# KiCad board veramonitor.kicad_pcb (continued)
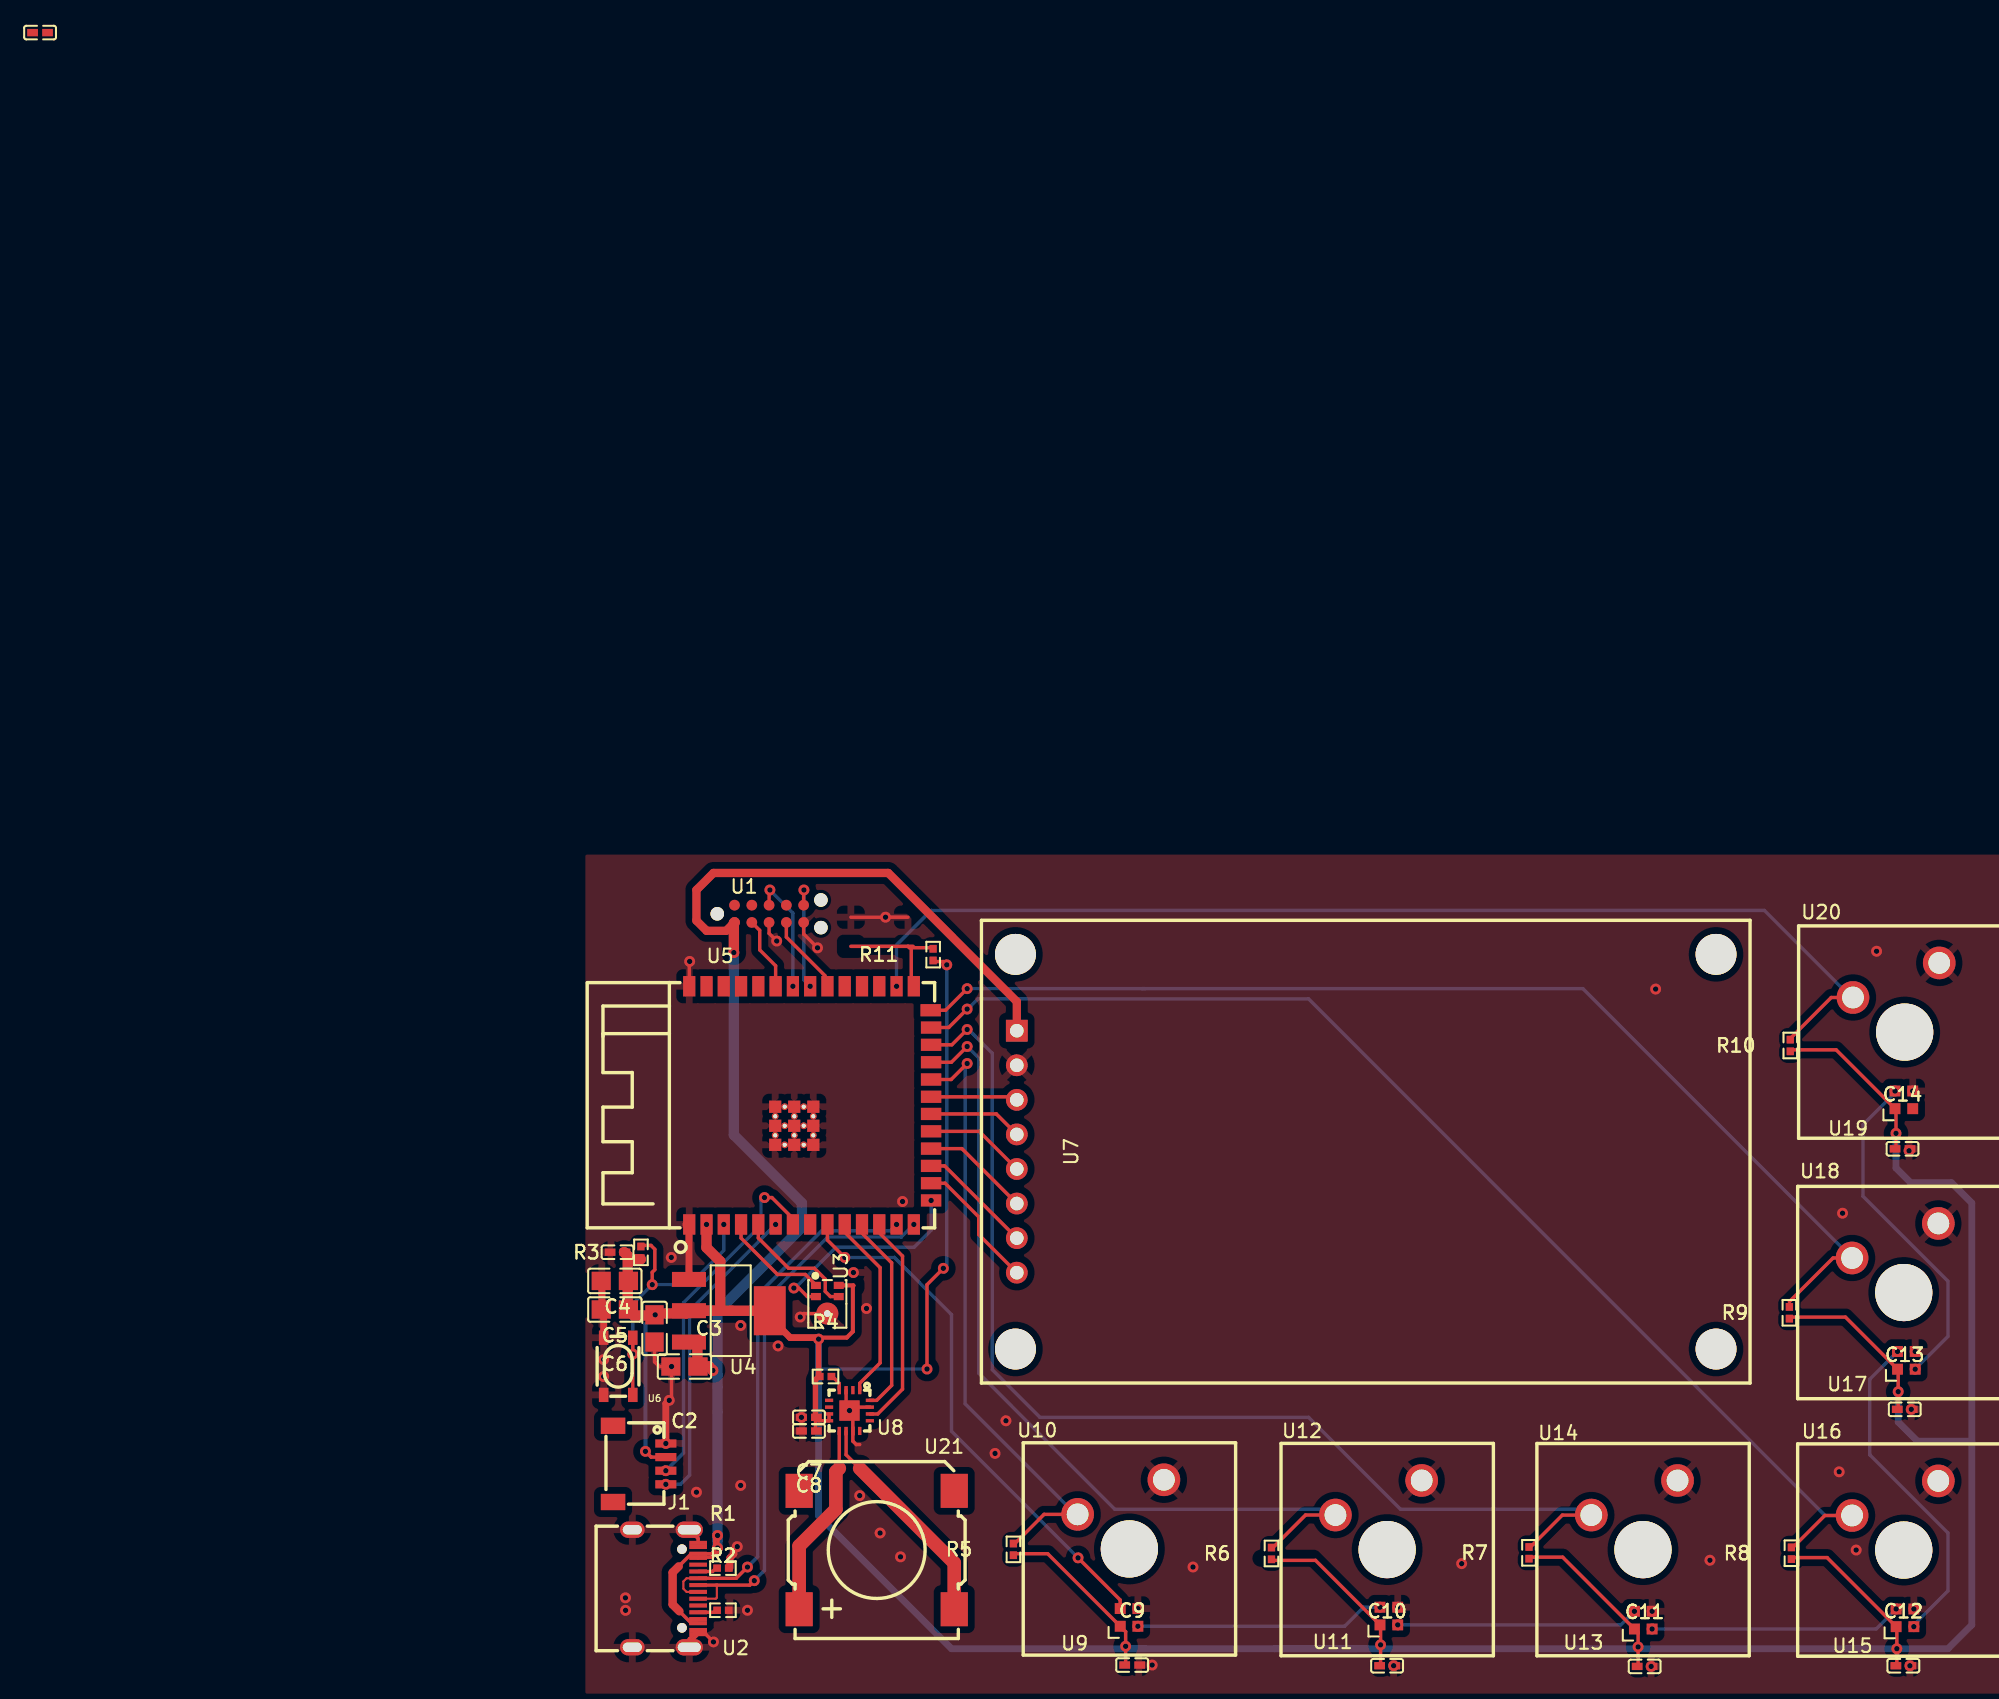
[diagram p0: board, top side]
## Library data of the parts (continued)
R1 = -: __atopile_lib_fp_hash__: 840214db-c3b9-a8cb-bf36-895666da536e; LCSC: C105871; Partnumber: RC0402FR-074K7L; Manufacturer: YAGEO; JLCPCB description: 62.5mW Thick Film Resistors 50V ±100ppm/℃ ±1% 4.7kΩ 0402 Chip Resistor - Surface Mount ROHS; PARAM_max_power: {"type": "Quantity_Set_Discrete", "data": {"intervals": {"type": "Numeric_Interval_Disjoint", "data": {"intervals": [{"type": "Numeric_Interval", "data": {"min": 0.0625, "max": 0.0625}}]}}, "unit": "watt"}}; PARAM_max_voltage: {"type": "Quantity_Set_Discrete", "data": {"intervals": {"type": "Numeric_Interval_Disjoint", "data": {"intervals": [{"type": "Numeric_Interval", "data": {"min": 50.0, "max": 50.0}}]}}, "unit": "volt"}}; PARAM_resistance: {"type": "Quantity_Interval_Disjoint", "data": {"intervals": {"type": "Numeric_Interval_Disjoint", "data": {"intervals": [{"type": "Numeric_Interval", "data": {"min": 4653.000001050532, "max": 4746.999998949468}}]}}, "unit": "ohm"}}; atopile_address: usbc_connector.cc1_res
R2 = -: __atopile_lib_fp_hash__: 894ece19-3b80-110c-2549-84a97fcb0802; LCSC: C105871; Partnumber: RC0402FR-074K7L; Manufacturer: YAGEO; JLCPCB description: 62.5mW Thick Film Resistors 50V ±100ppm/℃ ±1% 4.7kΩ 0402 Chip Resistor - Surface Mount ROHS; PARAM_max_power: {"type": "Quantity_Set_Discrete", "data": {"intervals": {"type": "Numeric_Interval_Disjoint", "data": {"intervals": [{"type": "Numeric_Interval", "data": {"min": 0.0625, "max": 0.0625}}]}}, "unit": "watt"}}; PARAM_max_voltage: {"type": "Quantity_Set_Discrete", "data": {"intervals": {"type": "Numeric_Interval_Disjoint", "data": {"intervals": [{"type": "Numeric_Interval", "data": {"min": 50.0, "max": 50.0}}]}}, "unit": "volt"}}; PARAM_resistance: {"type": "Quantity_Interval_Disjoint", "data": {"intervals": {"type": "Numeric_Interval_Disjoint", "data": {"intervals": [{"type": "Numeric_Interval", "data": {"min": 4653.000001050532, "max": 4746.999998949468}}]}}, "unit": "ohm"}}; atopile_address: usbc_connector.cc2_res
R3 = -: __atopile_lib_fp_hash__: a0b9c56e-cdc3-3fa4-2274-e067941b353e; LCSC: C25744; Partnumber: 0402WGF1002TCE; Manufacturer: UNI-ROYAL(Uniroyal Elec); JLCPCB description: 62.5mW Thick Film Resistors 50V ±100ppm/℃ ±1% 10kΩ 0402 Chip Resistor - Surface Mount ROHS; PARAM_max_power: {"type": "Quantity_Set_Discrete", "data": {"intervals": {"type": "Numeric_Interval_Disjoint", "data": {"intervals": [{"type": "Numeric_Interval", "data": {"min": 0.0625, "max": 0.0625}}]}}, "unit": "watt"}}; PARAM_max_voltage: {"type": "Quantity_Set_Discrete", "data": {"intervals": {"type": "Numeric_Interval_Disjoint", "data": {"intervals": [{"type": "Numeric_Interval", "data": {"min": 50.0, "max": 50.0}}]}}, "unit": "volt"}}; PARAM_resistance: {"type": "Quantity_Interval_Disjoint", "data": {"intervals": {"type": "Numeric_Interval_Disjoint", "data": {"intervals": [{"type": "Numeric_Interval", "data": {"min": 9900.000002235174, "max": 10099.999997764826}}]}}, "unit": "ohm"}}; atopile_address: micro.enable_button.pullup
R4 = -: __atopile_lib_fp_hash__: b56a7da4-e240-af18-3241-c1897194efe3; LCSC: C25744; Partnumber: 0402WGF1002TCE; Manufacturer: UNI-ROYAL(Uniroyal Elec); JLCPCB description: 62.5mW Thick Film Resistors 50V ±100ppm/℃ ±1% 10kΩ 0402 Chip Resistor - Surface Mount ROHS; PARAM_max_power: {"type": "Quantity_Set_Discrete", "data": {"intervals": {"type": "Numeric_Interval_Disjoint", "data": {"intervals": [{"type": "Numeric_Interval", "data": {"min": 0.0625, "max": 0.0625}}]}}, "unit": "watt"}}; PARAM_max_voltage: {"type": "Quantity_Set_Discrete", "data": {"intervals": {"type": "Numeric_Interval_Disjoint", "data": {"intervals": [{"type": "Numeric_Interval", "data": {"min": 50.0, "max": 50.0}}]}}, "unit": "volt"}}; PARAM_resistance: {"type": "Quantity_Interval_Disjoint", "data": {"intervals": {"type": "Numeric_Interval_Disjoint", "data": {"intervals": [{"type": "Numeric_Interval", "data": {"min": 9900.000002235174, "max": 10099.999997764826}}]}}, "unit": "ohm"}}; atopile_address: amp.R1
R5 = -: __atopile_lib_fp_hash__: bd1ba6f2-524b-4c4e-d925-0eeb83473e95; LCSC: C25744; Partnumber: 0402WGF1002TCE; Manufacturer: UNI-ROYAL(Uniroyal Elec); JLCPCB description: 62.5mW Thick Film Resistors 50V ±100ppm/℃ ±1% 10kΩ 0402 Chip Resistor - Surface Mount ROHS; PARAM_max_power: {"type": "Quantity_Set_Discrete", "data": {"intervals": {"type": "Numeric_Interval_Disjoint", "data": {"intervals": [{"type": "Numeric_Interval", "data": {"min": 0.0625, "max": 0.0625}}]}}, "unit": "watt"}}; PARAM_resistance: {"type": "Quantity_Interval_Disjoint", "data": {"intervals": {"type": "Numeric_Interval_Disjoint", "data": {"intervals": [{"type": "Numeric_Interval", "data": {"min": 9900.000002235174, "max": 10099.999997764826}}]}}, "unit": "ohm"}}; PARAM_max_voltage: {"type": "Quantity_Set_Discrete", "data": {"intervals": {"type": "Numeric_Interval_Disjoint", "data": {"intervals": [{"type": "Numeric_Interval", "data": {"min": 50.0, "max": 50.0}}]}}, "unit": "volt"}}; atopile_address: sw1.pullup
R6 = -: __atopile_lib_fp_hash__: 56b2fc5f-af5e-a984-62dd-6e687816cb49; LCSC: C25744; Partnumber: 0402WGF1002TCE; Manufacturer: UNI-ROYAL(Uniroyal Elec); JLCPCB description: 62.5mW Thick Film Resistors 50V ±100ppm/℃ ±1% 10kΩ 0402 Chip Resistor - Surface Mount ROHS; PARAM_max_power: {"type": "Quantity_Set_Discrete", "data": {"intervals": {"type": "Numeric_Interval_Disjoint", "data": {"intervals": [{"type": "Numeric_Interval", "data": {"min": 0.0625, "max": 0.0625}}]}}, "unit": "watt"}}; PARAM_resistance: {"type": "Quantity_Interval_Disjoint", "data": {"intervals": {"type": "Numeric_Interval_Disjoint", "data": {"intervals": [{"type": "Numeric_Interval", "data": {"min": 9900.000002235174, "max": 10099.999997764826}}]}}, "unit": "ohm"}}; PARAM_max_voltage: {"type": "Quantity_Set_Discrete", "data": {"intervals": {"type": "Numeric_Interval_Disjoint", "data": {"intervals": [{"type": "Numeric_Interval", "data": {"min": 50.0, "max": 50.0}}]}}, "unit": "volt"}}; atopile_address: sw2.pullup
R7 = -: __atopile_lib_fp_hash__: 7b675091-c437-609b-16b4-d39073a6f64b; LCSC: C25744; Partnumber: 0402WGF1002TCE; Manufacturer: UNI-ROYAL(Uniroyal Elec); JLCPCB description: 62.5mW Thick Film Resistors 50V ±100ppm/℃ ±1% 10kΩ 0402 Chip Resistor - Surface Mount ROHS; PARAM_max_power: {"type": "Quantity_Set_Discrete", "data": {"intervals": {"type": "Numeric_Interval_Disjoint", "data": {"intervals": [{"type": "Numeric_Interval", "data": {"min": 0.0625, "max": 0.0625}}]}}, "unit": "watt"}}; PARAM_max_voltage: {"type": "Quantity_Set_Discrete", "data": {"intervals": {"type": "Numeric_Interval_Disjoint", "data": {"intervals": [{"type": "Numeric_Interval", "data": {"min": 50.0, "max": 50.0}}]}}, "unit": "volt"}}; PARAM_resistance: {"type": "Quantity_Interval_Disjoint", "data": {"intervals": {"type": "Numeric_Interval_Disjoint", "data": {"intervals": [{"type": "Numeric_Interval", "data": {"min": 9900.000002235174, "max": 10099.999997764826}}]}}, "unit": "ohm"}}; atopile_address: sw3.pullup
R8 = -: __atopile_lib_fp_hash__: d8f44ea1-6daa-b8ad-d2b4-7efc94c90933; LCSC: C25744; Partnumber: 0402WGF1002TCE; Manufacturer: UNI-ROYAL(Uniroyal Elec); JLCPCB description: 62.5mW Thick Film Resistors 50V ±100ppm/℃ ±1% 10kΩ 0402 Chip Resistor - Surface Mount ROHS; PARAM_max_power: {"type": "Quantity_Set_Discrete", "data": {"intervals": {"type": "Numeric_Interval_Disjoint", "data": {"intervals": [{"type": "Numeric_Interval", "data": {"min": 0.0625, "max": 0.0625}}]}}, "unit": "watt"}}; PARAM_resistance: {"type": "Quantity_Interval_Disjoint", "data": {"intervals": {"type": "Numeric_Interval_Disjoint", "data": {"intervals": [{"type": "Numeric_Interval", "data": {"min": 9900.000002235174, "max": 10099.999997764826}}]}}, "unit": "ohm"}}; PARAM_max_voltage: {"type": "Quantity_Set_Discrete", "data": {"intervals": {"type": "Numeric_Interval_Disjoint", "data": {"intervals": [{"type": "Numeric_Interval", "data": {"min": 50.0, "max": 50.0}}]}}, "unit": "volt"}}; atopile_address: sw4.pullup
R9 = -: __atopile_lib_fp_hash__: 1c7cd458-90ea-6d88-cfc3-1f6f23d821f5; LCSC: C25744; Partnumber: 0402WGF1002TCE; Manufacturer: UNI-ROYAL(Uniroyal Elec); JLCPCB description: 62.5mW Thick Film Resistors 50V ±100ppm/℃ ±1% 10kΩ 0402 Chip Resistor - Surface Mount ROHS; PARAM_max_power: {"type": "Quantity_Set_Discrete", "data": {"intervals": {"type": "Numeric_Interval_Disjoint", "data": {"intervals": [{"type": "Numeric_Interval", "data": {"min": 0.0625, "max": 0.0625}}]}}, "unit": "watt"}}; PARAM_max_voltage: {"type": "Quantity_Set_Discrete", "data": {"intervals": {"type": "Numeric_Interval_Disjoint", "data": {"intervals": [{"type": "Numeric_Interval", "data": {"min": 50.0, "max": 50.0}}]}}, "unit": "volt"}}; PARAM_resistance: {"type": "Quantity_Interval_Disjoint", "data": {"intervals": {"type": "Numeric_Interval_Disjoint", "data": {"intervals": [{"type": "Numeric_Interval", "data": {"min": 9900.000002235174, "max": 10099.999997764826}}]}}, "unit": "ohm"}}; atopile_address: sw5.pullup
R10 = -: __atopile_lib_fp_hash__: 9614f397-f735-dcf4-af40-b240372c219b; LCSC: C25744; Partnumber: 0402WGF1002TCE; Manufacturer: UNI-ROYAL(Uniroyal Elec); JLCPCB description: 62.5mW Thick Film Resistors 50V ±100ppm/℃ ±1% 10kΩ 0402 Chip Resistor - Surface Mount ROHS; PARAM_max_power: {"type": "Quantity_Set_Discrete", "data": {"intervals": {"type": "Numeric_Interval_Disjoint", "data": {"intervals": [{"type": "Numeric_Interval", "data": {"min": 0.0625, "max": 0.0625}}]}}, "unit": "watt"}}; PARAM_max_voltage: {"type": "Quantity_Set_Discrete", "data": {"intervals": {"type": "Numeric_Interval_Disjoint", "data": {"intervals": [{"type": "Numeric_Interval", "data": {"min": 50.0, "max": 50.0}}]}}, "unit": "volt"}}; PARAM_resistance: {"type": "Quantity_Interval_Disjoint", "data": {"intervals": {"type": "Numeric_Interval_Disjoint", "data": {"intervals": [{"type": "Numeric_Interval", "data": {"min": 9900.000002235174, "max": 10099.999997764826}}]}}, "unit": "ohm"}}; atopile_address: sw6.pullup
R11 = -: __atopile_lib_fp_hash__: 7abbd541-12d7-d52d-b1ad-03b293d82b4d; LCSC: C25744; Partnumber: 0402WGF1002TCE; Manufacturer: UNI-ROYAL(Uniroyal Elec); JLCPCB description: 62.5mW Thick Film Resistors 50V ±100ppm/℃ ±1% 10kΩ 0402 Chip Resistor - Surface Mount ROHS; PARAM_max_power: {"type": "Quantity_Set_Discrete", "data": {"intervals": {"type": "Numeric_Interval_Disjoint", "data": {"intervals": [{"type": "Numeric_Interval", "data": {"min": 0.0625, "max": 0.0625}}]}}, "unit": "watt"}}; PARAM_max_voltage: {"type": "Quantity_Set_Discrete", "data": {"intervals": {"type": "Numeric_Interval_Disjoint", "data": {"intervals": [{"type": "Numeric_Interval", "data": {"min": 50.0, "max": 50.0}}]}}, "unit": "volt"}}; PARAM_resistance: {"type": "Quantity_Interval_Disjoint", "data": {"intervals": {"type": "Numeric_Interval_Disjoint", "data": {"intervals": [{"type": "Numeric_Interval", "data": {"min": 9900.000002235174, "max": 10099.999997764826}}]}}, "unit": "ohm"}}; atopile_address: boot.pullup
U1 = -: atopile_address: jtag_connector
U2 = -: Partnumber: KH-TYPE-C-16P; LCSC: C709357; Manufacturer: Shenzhen Kinghelm Elec; JLCPCB description: 3A 1 Horizontal attachment 16P Female -40℃~+85℃ Type-C SMD USB Connectors ROHS; atopile_address: usbc_connector.conn
U3 = -: LCSC: C2879853; Partnumber: SPH0641LU4H-1; Manufacturer: KNOWLES; JLCPCB description: MEMS Microphones DIG MEMs Mic, BP, Multimode,Ultrasonic; atopile_address: mic
U4 = -: LCSC: C6186; Partnumber: AMS1117-3.3; Manufacturer: Advanced Monolithic Systems; JLCPCB description: 72dB@(120Hz) 1A Fixed 3.3V Positive electrode SOT-223 Voltage Regulators - Linear, Low Drop Out (LDO) Regulators ROHS; atopile_address: ldo.ic
U5 = -: LCSC: C2913205; Partnumber: ESP32-S3-WROOM-1-N16R2; Manufacturer: Espressif Systems; JLCPCB description: SMD,18x25.5mm WiFi Modules ROHS; atopile_address: micro.ic
U6 = -: Partnumber: SKRPACE010; LCSC: C139797; Manufacturer: ALPSALPINE; JLCPCB description: 3.2mm 2.5mm Oval button 50mA Standing paste 4.2mm SPST 16V SMD Tactile Switches ROHS; atopile_address: micro.enable_button.btn.btn
U7 = -: LCSC: C359940; Partnumber: 1.8inch LCD Module; Manufacturer: Waveshare; JLCPCB description: 1.8 ST7735S -  LCD Screen ROHS; atopile_address: lcd.lcd
U8 = -: LCSC: C910544; Partnumber: MAX98357AETE+T; Manufacturer: Maxim Integrated; JLCPCB description: Monaural 3.2Wx2@4Ω TQFN-16-EP(3x3) Audio Amplifiers ROHS; atopile_address: amp.ic
U9 = -: LCSC: C2890036; Partnumber: SK6805-EC20; Manufacturer: OPSCO Optoelectronics; JLCPCB description: SMD,2x2mm  RGB LEDs(Built-in IC) ROHS; atopile_address: sw1.led.ic
U10 = -: LCSC: C400225; Partnumber: CPG1511F01S05; Manufacturer: Kailh; JLCPCB description: 60gf@±10gf 2V~12V Black shaft 2 Plugin Mechanical Keyboard Shaft ROHS; atopile_address: sw1.sw
U11 = -: LCSC: C2890036; Partnumber: SK6805-EC20; Manufacturer: OPSCO Optoelectronics; JLCPCB description: SMD,2x2mm  RGB LEDs(Built-in IC) ROHS; atopile_address: sw2.led.ic
U12 = -: LCSC: C400225; Partnumber: CPG1511F01S05; Manufacturer: Kailh; JLCPCB description: 60gf@±10gf 2V~12V Black shaft 2 Plugin Mechanical Keyboard Shaft ROHS; atopile_address: sw2.sw
U13 = -: LCSC: C2890036; Partnumber: SK6805-EC20; Manufacturer: OPSCO Optoelectronics; JLCPCB description: SMD,2x2mm  RGB LEDs(Built-in IC) ROHS; atopile_address: sw3.led.ic
U14 = -: LCSC: C400225; Partnumber: CPG1511F01S05; Manufacturer: Kailh; JLCPCB description: 60gf@±10gf 2V~12V Black shaft 2 Plugin Mechanical Keyboard Shaft ROHS; atopile_address: sw3.sw
U15 = -: LCSC: C2890036; Partnumber: SK6805-EC20; Manufacturer: OPSCO Optoelectronics; JLCPCB description: SMD,2x2mm  RGB LEDs(Built-in IC) ROHS; atopile_address: sw4.led.ic
U16 = -: LCSC: C400225; Partnumber: CPG1511F01S05; Manufacturer: Kailh; JLCPCB description: 60gf@±10gf 2V~12V Black shaft 2 Plugin Mechanical Keyboard Shaft ROHS; atopile_address: sw4.sw
U17 = -: LCSC: C2890036; Partnumber: SK6805-EC20; Manufacturer: OPSCO Optoelectronics; JLCPCB description: SMD,2x2mm  RGB LEDs(Built-in IC) ROHS; atopile_address: sw5.led.ic
U18 = -: LCSC: C400225; Partnumber: CPG1511F01S05; Manufacturer: Kailh; JLCPCB description: 60gf@±10gf 2V~12V Black shaft 2 Plugin Mechanical Keyboard Shaft ROHS; atopile_address: sw5.sw
U19 = -: LCSC: C2890036; Partnumber: SK6805-EC20; Manufacturer: OPSCO Optoelectronics; JLCPCB description: SMD,2x2mm  RGB LEDs(Built-in IC) ROHS; atopile_address: sw6.led.ic
U20 = -: LCSC: C400225; Partnumber: CPG1511F01S05; Manufacturer: Kailh; JLCPCB description: 60gf@±10gf 2V~12V Black shaft 2 Plugin Mechanical Keyboard Shaft ROHS; atopile_address: sw6.sw
U21 = -: LCSC: C18186315; Partnumber: KLJ-01304T-08R07W; Manufacturer: KELIKING; JLCPCB description: SMD  Speakers ROHS; atopile_address: speaker
U22 = -: __atopile_lib_fp_hash__: 89b844df-c216-e16f-af9f-d7598e8a90c6; LCSC: C15195; Partnumber: CL05B103KB5NNNC; Manufacturer: Samsung Electro-Mechanics; JLCPCB description: 50V 10nF X7R ±10% 0402 Multilayer Ceramic Capacitors MLCC - SMD/SMT ROHS; PARAM_capacitance: {"type": "Quantity_Interval_Disjoint", "data": {"intervals": {"type": "Numeric_Interval_Disjoint", "data": {"intervals": [{"type": "Numeric_Interval", "data": {"min": 9e-09, "max": 1.1e-08}}]}}, "unit": "farad"}}; PARAM_temperature_coefficient: {"type": "EnumSet", "data": {"elements": [{"name": "X7R"}], "enum": {"name": "TemperatureCoefficient", "values": {"Y5V": 1, "Z5U": 2, "X7S": 3, "X5R": 4, "X6R": 5, "X7R": 6, "X8R": 7, "C0G": 8}}}}; PARAM_max_voltage: {"type": "Quantity_Set_Discrete", "data": {"intervals": {"type": "Numeric_Interval_Disjoint", "data": {"intervals": [{"type": "Numeric_Interval", "data": {"min": 50.0, "max": 50.0}}]}}, "unit": "volt"}}; atopile_address: c_vcc

## Footprints (pads in the part's own frame, mm; a bottom-side part is the same pattern mirrored in y, then rotated)
BUZ-SMD_4P-L13.0-W13.0-P11.4-BL
  rect 2x2.5 smd: 1(-5.7,-4.35) 2(5.7,-4.35) 3(5.7,4.35) 4(-5.7,4.35)
C0402-b3ef17
  rect 0.79x0.54 smd: 1(-0.55,0) 2(0.55,0)
C0805-3b2e55
  rect 1.41x1.35 smd: 1(-1,0) 2(1,0)
CONN-SMD_4P-P1.00_SM04B-SRSS-TB-LF-SN
  rect 0.6x1.55 smd: 1(-1.5,1.94) 2(-0.5,1.94) 3(0.5,1.94) 4(1.5,1.94)
  rect 1.2x1.8 smd: 5(2.8,-1.94) 6(-2.8,-1.94)
KEY-SMD_4P-L4.2-W3.2-P2.20-LS4.6
  rect 1.05x0.7 smd: 1(-2.1,1.07) 2(2.1,1.07) 3(-2.1,-1.07) 4(2.1,-1.07)
KEY-TH_CPG1511F01S0X
  round 4.2 hole 4.2: (0.63,-3.81)
  round 2.4 hole 1.6: 1(-3.17,-1.27) 2(3.17,1.27)
LCD-TH_L56.5-W34.0_1-8INCH-LCD-MODULE
  round 3 hole 3: (-14.5,51.4) (-14.5,-0.1) (14.5,51.4) (14.5,-0.1)
  rect 1.6x1.6 hole 1: 1(-8.89,0)
  round 1.6 hole 1: 2(-6.35,0) 3(-3.81,0) 4(-1.27,0) 5(1.27,0) 6(3.81,0) 7(6.35,0) 8(8.89,0)
LED-SMD_4P-L2.0-W2.0-BR
  rect 0.8x0.8 smd: 1(0.65,-0.65) 2(0.65,0.65) 3(-0.65,0.65) 4(-0.65,-0.65)
MIC-SMD_5P_L3.5-W2.7-P0.82_SPH0641LU4H-1
  round 0.5 hole 0.5: (0,-0.81)
  rect 0.73x0.53 smd: 1(-0.84,1.26) 2(-0.84,0.44) 4(0.84,0.44) 5(0.84,1.26)
  round 1.625 smd: 3(0,-0.81)
R0402-56259e
  rect 0.57x0.54 smd: 1(-0.43,0) 2(0.43,0)
SOT-223-3_L6.5-W3.4-P2.30-LS7.0-BR
  rect 2.5x1.1 smd: 1(2.97,-2.3) 2(2.97,0) 3(2.97,2.3)
  rect 2.34x3.6 smd: 4(-2.97,0)
TAG-CONNECT_TC2050-IDC
  round 0.991 hole 0.991 unplated: (-3.81,0) (3.81,1.015) (3.81,-1.015)
  round 0.787 smd: 1(-2.54,-0.635) 2(-1.27,-0.635) 3(0,-0.635) 4(1.27,-0.635) 5(2.54,-0.635) 6(2.54,0.635) 7(1.27,0.635) 8(0,0.635) 9(-1.27,0.635) 10(-2.54,0.635)
TQFN-16_L3.0-W3.0-P0.50-BL-EP1.5
  rect 0.25x0.6 smd: 1(-0.75,-1.5) 2(-0.25,-1.5) 3(0.25,-1.5) 4(0.75,-1.5) 9(0.75,1.5) 10(0.25,1.5) 11(-0.25,1.5) 12(-0.75,1.5)
  rect 0.6x0.25 smd: 5(1.5,-0.75) 6(1.5,-0.25) 7(1.5,0.25) 8(1.5,0.75) 13(-1.5,0.75) 14(-1.5,0.25) 15(-1.5,-0.25) 16(-1.5,-0.75)
  rect 1.5x1.5 smd: 17(0,0)
USB-C-SMD_KH-TYPE-C-16P
  round 0.7 hole 0.7: (-2.89,1.23) (2.89,1.23)
  oval 1.2x2 hole 0.7x1.7: 1(-4.32,1.77) 2(4.32,1.77)
  oval 1.2x1.8 hole 0.7x1.4: 3(-4.32,-2.42) 4(4.32,-2.42)
  rect 0.3x1.3 smd: A1(-3.35,2.42) A4(-2.55,2.42) A5(-1.25,2.42) A6(-0.25,2.42) A7(0.25,2.42) A8(1.25,2.42) A9(2.55,2.41) A12(3.35,2.42) B1(3.05,2.42) B4(2.25,2.41) B5(1.75,2.42) B6(0.75,2.42) B7(-0.75,2.42) B8(-1.75,2.42) B9(-2.25,2.42) B12(-3.05,2.42)
WIRELM-SMD_ESP32-S3-WROOM-1
  round 0.5 hole 0.3: (-2.9,1.87) (-2.9,0.47) (-2.2,2.57) (-2.2,1.17) (-2.2,-0.23) (-1.5,1.87) (-1.5,0.47) (-0.8,2.57) (-0.8,1.17) (-0.8,-0.23) (-0.1,1.87) (-0.1,0.47)
  rect 1.5x0.9 smd: 1(-8.75,8.89) 2(-8.75,7.62) 3(-8.75,6.35) 4(-8.75,5.08) 5(-8.75,3.81) 6(-8.75,2.54) 7(-8.75,1.27) 8(-8.75,0) 9(-8.75,-1.27) 10(-8.75,-2.54) 11(-8.75,-3.81) 12(-8.75,-5.08) 13(-8.75,-6.35) 14(-8.75,-7.62) 27(8.75,-7.62) 28(8.75,-6.35) 29(8.75,-5.08) 30(8.75,-3.81) 31(8.75,-2.54) 32(8.75,-1.27) 33(8.75,0) 34(8.75,1.27) 35(8.75,2.54) 36(8.75,3.81) 37(8.75,5.08) 38(8.75,6.35) 39(8.75,7.62) 40(8.75,8.89)
  rect 0.9x1.5 smd: 15(-6.99,-8.89) 16(-5.72,-8.89) 17(-4.45,-8.89) 18(-3.18,-8.89) 19(-1.91,-8.89) 20(-0.63,-8.89) 21(0.63,-8.89) 22(1.9,-8.89) 23(3.17,-8.89) 24(4.45,-8.89) 25(5.72,-8.89) 26(6.99,-8.86)
  rect 0.9x0.9 smd: 41(-2.9,2.57) 41(-2.9,1.17) 41(-2.9,-0.23) 41(-1.5,2.57) 41(-1.5,1.17) 41(-1.5,-0.23) 41(-0.1,2.57) 41(-0.1,1.17) 41(-0.1,-0.23)

## Nets
gnd: C2.2 C3.2 C4.2 C5.2 C6.2 C7.2 C8.2 C9.2 C10.2 C11.2 C12.2 C13.2 C14.2 J1.1 R1.2 R2.2 U1.3 U1.5 U2.1 U2.2 U2.3 U2.4 U2.A1 U2.A12 U2.B1 U2.B12 U3.3 U4.1 U5.1 U5.40 U5.41 U6.3 U6.4 U7.2 U8.3 U8.11 U8.15 U8.17 U9.3 U10.2 U11.3 U12.2 U13.3 U14.2 U15.3 U16.2 U17.3 U18.2 U19.3 U20.2 U22.2
vcc: U15.2 U17.4
B5: R2.1 U2.B5
BCLK: U5.11 U8.16
BL: U5.16 U7.8
CC1: R1.1 U2.A5
CS: U5.19 U7.5
DC: U5.18 U7.6
DIN: U5.10 U8.1
DIN-1: U5.21 U7.3
DIN-2: U5.9 U9.4
dm: U2.A7 U2.B7 U5.13
DOUT: U19.2
dp: U2.A6 U2.B6 U5.14
DUMMY: U21.3 U21.4
GAIN_SLOT: U8.2
hv: C3.1 C4.1 C5.1 C6.1 C7.1 C8.1 C9.1 C10.1 C11.1 C12.1 C13.1 C14.1 J1.2 R3.1 R4.1 R5.1 R6.1 R7.1 R8.1 R9.1 R10.1 R11.1 U3.5 U4.2 U4.4 U5.2 U8.7 U8.8 U9.1 U11.1 U13.1 U15.1 U17.1 U19.1 U22.1
hv-1: C2.1 U1.1 U2.A4 U2.A9 U2.B4 U2.B9 U4.3 U7.1
in: R3.2 U5.3 U6.1 U6.2
io: U13.2 U15.4
io1: U5.39
io2: U5.38
io15: U5.8
io36: U5.29
io37: U5.30
io38: U5.31
io-1: U9.2 U11.4
io-2: U17.2 U19.4
io-3: U11.2 U13.4
KEY: R9.2 U5.26 U18.1
KEY-1: R5.2 U5.22 U10.1
KEY-2: R6.2 U5.23 U12.1
KEY-3: R7.2 U5.24 U14.1
KEY-4: R8.2 U5.25 U16.1
KEY-5: R10.2 U5.28 U20.1
LRCLK: U5.12 U8.14
N_period_C_period: U8.5 U8.6 U8.12 U8.13
out: R11.2 U5.27
OUTN: U8.10 U21.2
OUTP: U8.9 U21.1
pdm_clk: U3.4 U5.5
pdm_data: U3.1 U5.4
pdm_sel: U3.2 U5.15
reset: U5.17 U7.7
reset-1: U1.10
rx: U5.36
sck: U5.20 U7.4
scl: J1.4 U5.6
SD_MODE_hash: R4.2 U8.4
sda: J1.3 U5.7
SUB1: U2.A8
SUB2: U2.B8
tck: U1.4 U5.32
tdi: U1.8 U5.34
tdo: U1.6 U5.33
tms: U1.2 U5.35
tx: U5.37

Pads without a net: J1 5 6; U1 7 9

## Via types
v1: diameter 0.8, hole 0.4, Top to Bottom, 102 vias

## Routing (per net, layer and track width the routed paths; a pad name or vN(x,y) marks a point on that pad's centre or on a via; arc(x,y) is an arc through that point)
gnd: length 41.2
  Top w0.25: 55.12,39.8 55.12,39.72 55.25,39.72 ; 62.08,55.12 v1(62.15,55.05) ; v1(62.15,55.05) 59.6,55.05 ; v1(62.15,55.05) 62.22,55.12 ; U2.B1 47.73,2.02 47.73,1.41 47.73,1.72 U2.A12 48.92,2.38 v1(49.5,1.8) ; U8.3 59.25,19.05 ; U1.5 56.13,53.82 v1(57.15,52.8) ; U1.3 53.59,53.86 v1(54.15,53.3)
  Top w0.254: 57.24,25.92 56.13,25.92 v1(55.88,25.67) ; 47.53,49.97 47.72,50.16 47.72,51.77 v1(47.75,51.8) ; 60.25,16.3 60,16.3 59.75,16.55 U8.11 59.75,18.55 v1(59.5,18.8) ; 63.8,55.05 v1(62.15,55.05) ; U2.A1 48.38,9.39 U2.1 ; U8.15 60.25,19.05 ; 45.17,23.88 45.17,22.38 45.52,22.03 v1(46.42,22.03) 46.42,19.72 v1(46.25,19.55)
  Top w0.508: v1(46.25,19.55) 46,19.3 v1(46,16.38) ; v1(51.25,8.8) 51,8.55 51,8.26 50.71,7.97 50.71,7.22 ; U5.1 47.7,32.45 U4.1 ; U6.3 41.43,26.09 41.3,26.22 41.3,28.33
  Top w0.61: 47.7,32.3 47.53,32.47
  vias: v1(41.43,22.55) v1(41.43,21.3) v1(43.03,5.04) v1(43.04,4.12) v1(46.4,30.05) v1(48.25,12.8) v1(51.5,25.05) v1(51.5,13.3) v1(52,4.12) v1(54.25,23.55) v1(55.97,18.3) v1(59.79,28.94) v1(60.25,12.55) v1(60.75,26.3) v1(61.75,9.8) v1(63.25,8.05) v1(63.4,34.16) v1(70.2,15.65) v1(71,18.05) v1(80.7,4.25) v1(81.75,0.1) v1(84.75,7.3) v1(99.5,0.05) v1(99.8,4.35) v1(104.5,7.55) v1(118.43,0) v1(118.5,4.05) v1(118.76,49.77) v1(122.75,7.8) v1(132.25,14.3) v1(132.5,33.3) v1(133.5,8.55) v1(135,52.55) v1(137.39,37.89) v1(137.45,0.05) v1(137.55,18.89) v1(137.66,42.28) v1(137.74,4.22) v1(137.84,23.14)
vcc: length 24.5
  Bottom w0.25: v1(137.74,2.92) 137.74,3.04 140.25,5.55 140.25,9.8 134.5,15.55 134.5,21.1 v1(136.54,23.14)
(no net): length 8
  Bottom w0: 126,0.8 125.95,0.85 125.5,0.85 133,0.85
B5: length 1.4
  Top w0.25: 49.69,4.12 49.54,3.97 U2.B5
BCLK: length 14.9
  Top w0.25: U8.16 61.5,19.55 62.6,20.65 62.6,29.65 60.23,32.02 60.23,32.47
BL: length 10
  Top w0.25: 65.31,35.5 66.53,35.5 69,33.03 69,31.73 U7.8
CC1: length 1.4
  Top w0.25: U2.A5 49.44,6.97 49.69,7.22
CS: length 7.6
  Top w0.25: U7.5 69.03,39.31 65.31,39.31
DC: length 8
  Top w0.254: U7.6 67.77,38.05 65.5,38.05
DIN: length 14
  Top w0.25: 58.96,32.47 58.96,32.09 61.75,29.3 61.75,22.3 60.25,20.8 U8.1
DIN-1: length 6.7
  Top w0.254: U5.21 65.5,41.85 71.58,41.85 U7.3 ; 65.53,41.63 65.31,41.86
DIN-2: length 39.5
  Top w0.25: U5.9 57.88,31.33 v1(59.16,30.05) ; U9.4 79.4,4.88 v1(76.3,7.98) ; 57.88,32.66 57.69,32.47
  Bottom w0.25: v1(59.16,30.05) 62.8,30.05 67,25.85 67,17.28 v1(76.3,7.98)
dm: length 40.2
  Top w0.152: U2.B7 47.52,6.47 47.29,6.24 47.29,5.71 47.52,5.47 U2.A7
  Top w0.25: U2.B7 51.17,6.47 v1(52,7.3) ; v1(62.96,32.47) 62.77,32.28 62.77,31.89
  Bottom w0.25: v1(62.96,32.47) 62.49,32 57.45,32 52.75,27.3 52.75,8.05 v1(52,7.3)
dp: length 40.8
  Top w0.152: U2.B6 49.67,4.97 49.75,5.05 49.75,5.97
  Top w0.25: U2.A6 52.17,5.97 v1(52.5,6.3)
  Bottom w0.25: v1(64.23,32.47) 63.3,31.55 57.9,31.55 53.25,26.9 53.25,7.05 v1(52.5,6.3)
hv: length 373.9
  Top w0.25: J1.2 44.92,15.38 v1(44.5,15.8) ; U8.7 U8.8 57.25,18.05 57,18.3 57,17.3 ; 90.52,7.79 93.76,7.79 U11.1 98.54,3.01 v1(98.54,1.58) 98.54,0.05 ; 79.8,0.1 v1(79.8,1.48) 79.8,2.55 U9.1 74.07,8.28 71.55,8.28 ; 128.59,25.66 132.72,25.66 U17.1 136.59,21.79 v1(136.59,20.19) 136.59,18.89 ; 136.43,38.03 v1(136.43,39.17) 136.43,40.91 U19.1 132.03,45.3 128.66,45.3 ; 59.75,27.94 59.79,27.98 ; v1(66.4,29.25) 65.2,28.05 v1(65.2,21.85) ; 128.74,7.99 131.37,7.99 U15.1 136.49,2.87 v1(136.49,1.3) 136.49,0.05 ; 109.45,8.02 111.92,8.02 U13.1 117.47,2.48 v1(117.47,1.43) 117.47,0 ; 53.64,26.54 53.77,26.67 ; 57.23,24.14 57.25,24.16 ; v1(66.65,51.55) 66.41,51.79 65.65,51.79 ; U4.4 53.64,25.66
  Top w0.3: 59.75,27.94 59.75,24.61 59.3,24.16 57.25,24.16
  Top w0.305: 58.77,27.93 58.71,27.99 59.77,27.99 59.79,27.98
  Top w0.4: 57.23,24.14 v1(57.23,24.05) 57.23,21.3 57,21.07 57,18.3
  Top w0.5: 53.64,25.66 55.14,24.16 57.25,24.16
  Top w0.762: U4.2 U4.4 ; U4.2 50,26.13 50,29.76 48.99,30.77 v1(48.99,32.47) ; U4.2 47.5,25.94 45.32,25.94 v1(45.22,25.83) 45.17,25.78 43.64,25.78 43.2,26.22 43.2,30.16 42.93,30.44 43.45,29.91 44.17,29.91
  Bottom w0.25: 57.23,21.65 57.43,21.85 v1(65.2,21.85) ; v1(66.65,51.55) 66.65,29.5 v1(66.4,29.25) ; 115.25,1.3 115.87,1.3 ; 115.25,1.3 133.76,1.3 ; 115.25,1.3 96.75,1.3 97.52,1.3
  Bottom w0.3: v1(45.22,25.83) 44.5,25.11 v1(44.5,15.8)
  Bottom w0.5: 80,1.3 81.25,1.3 ; 81.25,1.3 90.75,1.3 ; 81.25,1.3 67,1.3 57.23,11.07 v1(57.23,24.05) ; 95.5,1.3 97.52,1.3 ; 95.5,1.3 90.75,1.3 ; 95.5,1.3 96.75,1.3 ; 142,16.55 142,3.05 140.25,1.3 132.75,1.3 ; 142,16.55 142,34.05 140.5,35.55 137.5,35.55 136.43,36.62 v1(136.43,39.17) ; 142,16.55 138,16.55 136.59,17.96 v1(136.59,20.19) ; 90.75,1.3 133.76,1.3
hv-1: length 104.3
  Top w0.254: 49.38,8.27 U2.A4 47.87,8.27 46.95,7.35 ; 49.38,8.27 v1(49.8,8.7) ; 49.38,8.27 49.83,8.73 49.83,9.59 v1(49.8,9.62) 49.59,9.41 49.59,8.19 ; 49.59,8.19 49.42,8.02 48.42,8.02 U2.B9 ; 49.59,8.19 49.95,8.55 49.95,8.6 ; U2.A9 47.87,3.17 47,4.05 47,4.05
  Top w0.61: U7.1 71.8,48.85 62.35,58.3 49.5,58.3 48.25,57.05 48.25,54.8 49,54.05 50.44,54.05 U1.1 ; 47,4.05 46.5,4.55 46.5,6.9 46.95,7.35
  Top w0.762: v1(51,52.45) 51,54.61 U1.1 ; U4.3 48.34,23.83 48.32,23.82 48.32,22.03 49.17,22.03 v1(49.46,21.75)
  Bottom w0.762: 49.8,21.41 v1(49.46,21.75) 49.46,21.78 ; 49.8,21.41 v1(49.8,9.62) v1(49.8,8.7) ; 49.8,21.41 49.8,26.05 56,32.25 56,34.05 51,39.05 v1(51,52.45)
in: length 22
  Top w0.25: U6.2 v1(43.57,22.95) U6.1 ; v1(45,28.05) 45,28.96 45.19,29.15 45.19,30.65 44.91,30.94 44.17,30.94
  Bottom w0.25: v1(43.57,22.95) 43.57,26.62 v1(45,28.05) ; v1(45,28.05) 45,27.93 ; v1(45,28.05) 47.75,28.05 50.26,30.56 v1(50.26,32.47)
io: length 18.5
  Bottom w0.25: v1(136.44,4.22) 134.97,2.75 v1(118.5,2.75)
io-1: length 18.4
  Bottom w0.25: v1(80.7,2.95) 95.9,2.95 97.3,4.35 v1(98.5,4.35)
io-2: length 25
  Bottom w0.25: v1(136.36,42.28) 136.13,42.05 136.13,41.93 134,39.8 134,34.55 140.25,28.3 140.25,24.25 v1(137.84,21.84)
io-3: length 17.8
  Bottom w0.25: v1(117.2,4.05) 116.2,3.05 v1(99.8,3.05)
KEY: length 83
  Top w0.25: U18.1 131.8,30.01 128.59,26.8 ; v1(68.15,49.8) 66.56,48.22 65.28,48.22
  Bottom w0.25: U18.1 113.41,49.8 81,49.8 ; 81,49.8 81.25,49.8 ; 81,49.8 v1(68.15,49.8)
KEY-1: length 45.7
  Top w0.25: U10.1 73.8,11.17 71.55,8.92 ; 65.31,43.12 66.97,43.12 v1(68.15,44.3)
  Bottom w0.25: U10.1 76.13,11.17 68,19.3 68,44.15 v1(68.15,44.3)
KEY-2: length 63.9
  Top w0.25: 65.31,44.39 67,44.39 v1(68.15,45.55) ; U12.1 93.02,11.12
  Top w0.254: 93.02,11.12 90.63,8.73 R6.2
  Bottom w0.25: v1(68.15,45.55) 69,44.7 69,21.55 79,11.55 94.8,11.55 U12.1
KEY-3: length 83.2
  Top w0.25: 65.31,45.67 67.03,45.67 v1(68.15,46.8) ; U14.1 111.91,11.12 109.45,8.66
  Bottom w0.25: v1(68.15,46.8) 68.25,46.8 70,45.05 70,21.8 73.5,18.3 93.25,18.3 100,11.55 113.6,11.55 U14.1
KEY-4: length 90
  Top w0.25: v1(68.15,48.3) 66.8,46.94 65.31,46.94 ; 128.74,8.63 131.19,11.09 U16.1
  Bottom w0.25: U16.1 133.2,11.1 133.19,11.09 131.21,11.09 93.25,49.05 68.95,49.05 68.2,48.3 v1(68.15,48.3)
KEY-5: length 83.1
  Top w0.25: 128.66,46.14 131.67,49.15 U20.1 ; v1(62.96,49.97) 62.77,49.97
  Bottom w0.25: U20.1 133.15,49.15 126.75,55.55 65.5,55.55 62.96,53.01 v1(62.96,49.97)
LRCLK: length 16
  Top w0.25: 61.5,32.47 61.5,32.05 63.4,30.15 63.4,20.38 61.58,18.55 U8.14
out: length 9.3
  Top w0.25: 65.65,52.81 63.9,52.81 63.8,52.91 ; 63.8,52.91 64.18,52.91 ; 63.8,52.91 59.6,52.91 ; 64.04,49.97 64.04,52.77
OUTN: length 16.4
  Top w0.25: 60.25,14.55 59.25,15.55 U8.10
  Top w1: U21.2 67.2,7.6 60.25,14.55
OUTP: length 14.3
  Top w0.25: 58.75,14.55 U8.9
  Top w1: U21.1 55.8,8.85 58.5,11.55 58.5,14.3 58.75,14.55
pdm_clk: length 9.8
  Top w0.25: U5.5 52.8,31.47 55.02,29.25 56.92,29.25 57.72,28.45 57.72,27.55 58.09,27.17 U3.4 ; 52.61,33.06 52.61,32.47
pdm_data: length 8.5
  Top w0.25: 51.34,33.05 51.34,32.47 ; 57.03,27.99 57.03,28.02 56.25,28.8 54.2,28.8 51.53,31.47 U5.4
pdm_sel: length 16.1
  Top w0.25: v1(55.41,27.8) 55.78,27.8 56.4,27.17 U3.2 ; v1(65.5,34.23) 65.31,34.23
  Bottom w0.25: v1(65.5,34.23) 65.5,32.05 64.25,30.8 58.5,30.8 55.5,27.8 v1(55.41,27.8)
reset: length 8.5
  Top w0.254: U7.7 66.5,36.77 U5.17
sck: length 6.9
  Top w0.254: U5.20 70.3,40.59 U7.4
scl: length 23.1
  Bottom w0.25: v1(46,13.38) 47.08,13.38 47.75,14.05 47.75,26.16 v1(54.07,32.47)
SD_MODE_hash: length 1.2
  Top w0.25: U8.4 58.75,20.8 58.25,21.3
sda: length 26.4
  Top w0.25: 55.25,32.38 55.34,32.47 55.34,32.91 53.8,34.45 v1(53.25,34.45)
  Bottom w0.25: v1(46,14.38) 47.3,15.68 47.3,26.73 53,32.43 53,34.2 v1(53.25,34.45)
tck: length 5.9
  Top w0.25: U1.4 54.86,53.59 57.69,50.76 57.69,49.97
tdi: length 8.9
  Top w0.25: v1(53.65,57.05) 53.59,56.99 U1.8
  Bottom w0.25: v1(55.34,49.97) 55.34,55.36 v1(53.65,57.05)
tdo: length 8.4
  Top w0.25: U1.6 56.13,57.03 v1(56.15,57.05)
  Bottom w0.25: v1(56.61,49.97) 56.15,50.44 v1(56.15,57.05)
tms: length 5.5
  Top w0.25: 53.88,49.97 54.07,50.16 54.07,51.48 52.9,52.65 52.9,54.08 U1.2

## Copper pours and planes (outline as drawn; the poured copper is in the pictures)
gnd on Top, Bottom: 148.73,63.7 149.05,-6.47 38.13,-6.49 37.84,63.65

## Text on the board
B.Silkscreen: {{GITHASH}}
